# Altium PCB BRD_EPM240.PcbDoc (part 1 of 2) (continued)
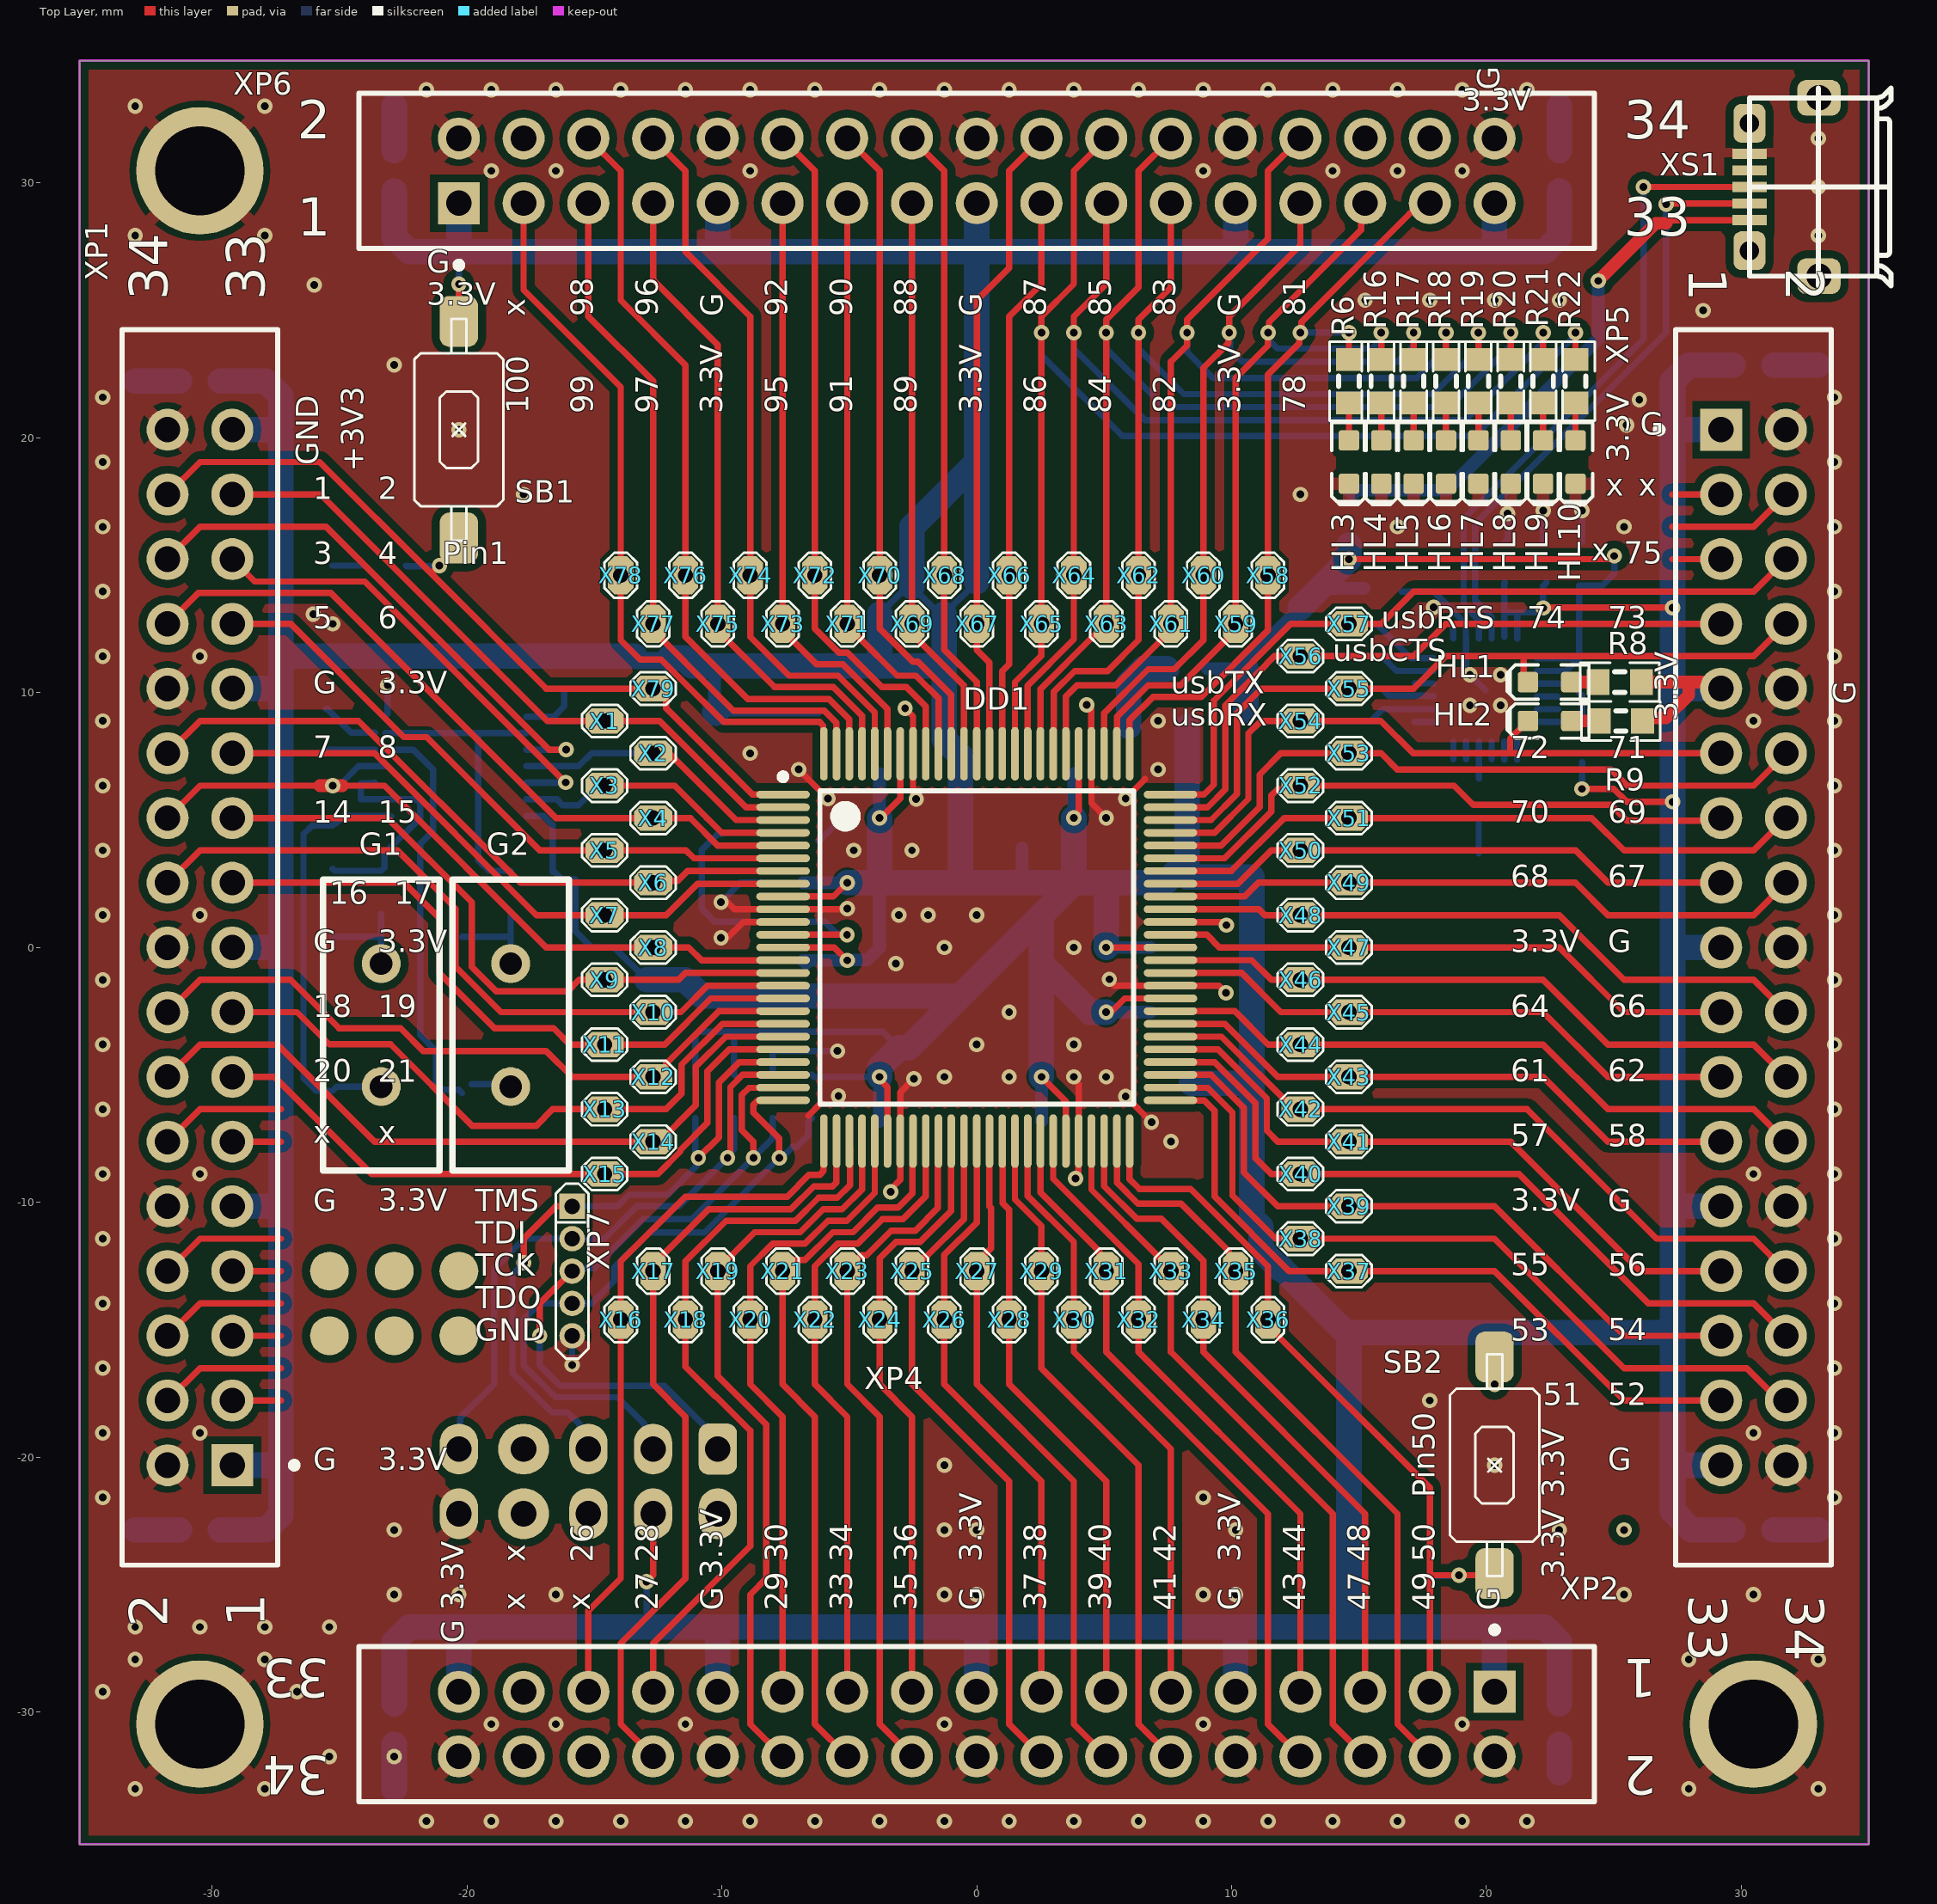
[diagram p0: Top Layer view]
## Components (designator, comment, footprint, x,y, rotation, side; value= is the part's Value field where it differs from the comment) (continued)
X9 "X1-PLLD1.27-1" PLLS1.27-1 -14.605,-1.27 r90 top
X10 "X1-PLLD1.27-1" PLLS1.27-1 -12.7,-2.54 r90 top
X11 "X1-PLLD1.27-1" PLLS1.27-1 -14.605,-3.81 r90 top
X12 "X1-PLLD1.27-1" PLLS1.27-1 -12.7,-5.08 r90 top
X13 "X1-PLLD1.27-1" PLLS1.27-1 -14.605,-6.35 r90 top
X14 "X1-PLLD1.27-1" PLLS1.27-1 -12.7,-7.62 r90 top
X15 "X1-PLLD1.27-1" PLLS1.27-1 -14.605,-8.89 r90 top
X16 "X1-PLLD1.27-1" PLLS1.27-1 -13.969,-14.605 r180 top
X17 "X1-PLLD1.27-1" PLLS1.27-1 -12.7,-12.7 r180 top
X18 "X1-PLLD1.27-1" PLLS1.27-1 -11.43,-14.605 r180 top
X19 "X1-PLLD1.27-1" PLLS1.27-1 -10.16,-12.7 r180 top
X20 "X1-PLLD1.27-1" PLLS1.27-1 -8.89,-14.605 r180 top
X21 "X1-PLLD1.27-1" PLLS1.27-1 -7.62,-12.7 r180 top
X22 "X1-PLLD1.27-1" PLLS1.27-1 -6.35,-14.605 r180 top
X23 "X1-PLLD1.27-1" PLLS1.27-1 -5.08,-12.7 r180 top
X24 "X1-PLLD1.27-1" PLLS1.27-1 -3.81,-14.605 r180 top
X25 "X1-PLLD1.27-1" PLLS1.27-1 -2.54,-12.7 r180 top
X26 "X1-PLLD1.27-1" PLLS1.27-1 -1.27,-14.605 r180 top
X27 "X1-PLLD1.27-1" PLLS1.27-1 0,-12.7 r180 top
X28 "X1-PLLD1.27-1" PLLS1.27-1 1.27,-14.605 r180 top
X29 "X1-PLLD1.27-1" PLLS1.27-1 2.54,-12.7 r180 top
X30 "X1-PLLD1.27-1" PLLS1.27-1 3.81,-14.605 r180 top
X31 "X1-PLLD1.27-1" PLLS1.27-1 5.08,-12.7 r180 top
X32 "X1-PLLD1.27-1" PLLS1.27-1 6.35,-14.605 r180 top
X33 "X1-PLLD1.27-1" PLLS1.27-1 7.62,-12.7 r180 top
X34 "X1-PLLD1.27-1" PLLS1.27-1 8.89,-14.605 r180 top
X35 "X1-PLLD1.27-1" PLLS1.27-1 10.16,-12.7 r180 top
X36 "X1-PLLD1.27-1" PLLS1.27-1 11.43,-14.605 r180 top
X37 "X1-PLLD1.27-1" PLLS1.27-1 14.605,-12.7 r270 top
X38 "X1-PLLD1.27-1" PLLS1.27-1 12.7,-11.43 r90 top
X39 "X1-PLLD1.27-1" PLLS1.27-1 14.605,-10.16 r90 top
X40 "X1-PLLD1.27-1" PLLS1.27-1 12.7,-8.89 r90 top
X41 "X1-PLLD1.27-1" PLLS1.27-1 14.605,-7.62 r90 top
X42 "X1-PLLD1.27-1" PLLS1.27-1 12.7,-6.35 r90 top
X43 "X1-PLLD1.27-1" PLLS1.27-1 14.605,-5.08 r90 top
X44 "X1-PLLD1.27-1" PLLS1.27-1 12.7,-3.81 r90 top
X45 "X1-PLLD1.27-1" PLLS1.27-1 14.605,-2.54 r90 top
X46 "X1-PLLD1.27-1" PLLS1.27-1 12.7,-1.27 r90 top
X47 "X1-PLLD1.27-1" PLLS1.27-1 14.605,0 r90 top
X48 "X1-PLLD1.27-1" PLLS1.27-1 12.7,1.27 r90 top
X49 "X1-PLLD1.27-1" PLLS1.27-1 14.605,2.54 r90 top
X50 "X1-PLLD1.27-1" PLLS1.27-1 12.7,3.81 r90 top
X51 "X1-PLLD1.27-1" PLLS1.27-1 14.605,5.08 r90 top
X52 "X1-PLLD1.27-1" PLLS1.27-1 12.7,6.35 r90 top
X53 "X1-PLLD1.27-1" PLLS1.27-1 14.605,7.62 r90 top
X54 "X1-PLLD1.27-1" PLLS1.27-1 12.7,8.89 r90 top
X55 "X1-PLLD1.27-1" PLLS1.27-1 14.605,10.16 r90 top
X56 "X1-PLLD1.27-1" PLLS1.27-1 12.7,11.43 r270 top
X57 "X1-PLLD1.27-1" PLLS1.27-1 14.605,12.7 r90 top
X58 "X1-PLLD1.27-1" PLLS1.27-1 11.43,14.605 r0 top
X59 "X1-PLLD1.27-1" PLLS1.27-1 10.16,12.7 r180 top
X60 "X1-PLLD1.27-1" PLLS1.27-1 8.89,14.605 r180 top
X61 "X1-PLLD1.27-1" PLLS1.27-1 7.62,12.7 r180 top
X62 "X1-PLLD1.27-1" PLLS1.27-1 6.35,14.605 r180 top
X63 "X1-PLLD1.27-1" PLLS1.27-1 5.08,12.7 r180 top
X64 "X1-PLLD1.27-1" PLLS1.27-1 3.81,14.605 r180 top
X65 "X1-PLLD1.27-1" PLLS1.27-1 2.54,12.7 r180 top
X66 "X1-PLLD1.27-1" PLLS1.27-1 1.27,14.605 r180 top
X67 "X1-PLLD1.27-1" PLLS1.27-1 0,12.7 r180 top
X68 "X1-PLLD1.27-1" PLLS1.27-1 -1.27,14.605 r0 top
X69 "X1-PLLD1.27-1" PLLS1.27-1 -2.54,12.7 r180 top
X70 "X1-PLLD1.27-1" PLLS1.27-1 -3.81,14.605 r180 top
X71 "X1-PLLD1.27-1" PLLS1.27-1 -5.08,12.7 r180 top
X72 "X1-PLLD1.27-1" PLLS1.27-1 -6.35,14.605 r180 top
X73 "X1-PLLD1.27-1" PLLS1.27-1 -7.62,12.7 r0 top
X74 "X1-PLLD1.27-1" PLLS1.27-1 -8.89,14.605 r180 top
X75 "X1-PLLD1.27-1" PLLS1.27-1 -10.16,12.7 r180 top
X76 "X1-PLLD1.27-1" PLLS1.27-1 -11.43,14.605 r180 top
X77 "X1-PLLD1.27-1" PLLS1.27-1 -12.7,12.7 r180 top
X78 "X1-PLLD1.27-1" PLLS1.27-1 -13.97,14.605 r180 top
X79 "X1-PLLD1.27-1" PLLS1.27-1 -12.7,10.16 r270 top
X80 "PLLS1.27-1-TOP-R" PLLS1.27-1-TOP-R -16.129,10.16 r90 bottom
XP1 "IDC2.54-V34-TE" IDC2.54-V34-TE -30.48,0 r90 top locked
XP2 "IDC2.54-V34-TE" IDC2.54-V34-TE 0,-30.48 r180 top locked
XP4 "XS-10" BH-10 -10.16,-19.685 r180 top locked
XP5 "IDC2.54-V34-TE" IDC2.54-V34-TE 30.48,0 r270 top locked
XP6 "IDC2.54-V34-TE" IDC2.54-V34-TE 0,30.48 r0 top locked
XP7 "PLS1.27-5" PLLS1.27-5 -15.875,-10.16 r180 top
XS1 "MICRO_USB _B" "MICRO_USB _B" 33.02,29.845 r90 top

## Footprints (in the part's own frame and the unit in brackets; to place one, negate y for a bottom-side part, rotate by r counter-clockwise, add the part's x,y. Pads: shape width x height; smd on the part's side, far side on the other; paste and mask are expansions set on the pad)
BH-10 [mm]
  rrect50% 1.5x2 hole 1: 1(0,0)
  oval 1.5x2 hole 1: 2(0,2.54) 3(2.54,0) 4(2.54,2.54) 5(5.08,0) 6(5.08,2.54) 9(10.16,0) 10(10.16,2.54)
  round 2 hole 1: 7(7.62,0) 8(7.62,2.54)
  body extent -5.17,-3.28 15.33,6.02, height 9.1
CAPC1608(0603)N [mm] "Chip Capacitor, Body 1.6x0.8mm, IPC Medium Density"
  rect 1x1 smd: 1(-0.8,0) 2(0.8,0)
  silkscreen extent -1.55,-0.76 1.55,0.76, body extent -0.8,-0.4 0.8,0.4, height 0.3
HC-49/S [mil]
  round 60 hole 35: 1(0,0) 2(190,0)
  silkscreen extent -130,-90 320,90, body extent -128,-92 318,92, height 142
IDC2.54-V34-TE [mm] "Connector; IDC, PCB Transition - 2 Rows, Thru-Hole; 34 Position; Vertical; Pitch 2.54 mm; Body 48.48 x 6.1 x 7.45 mm (LxWxH), Kinked Contacts"
  rect 1.65x1.65 hole 1: 1(-20.32,-1.27)
  round 1.65 hole 1: 2(-20.32,1.27) 3(-17.78,-1.27) 4(-17.78,1.27) 5(-15.24,-1.27) 6(-15.24,1.27) 7(-12.7,-1.27) 8(-12.7,1.27) 9(-10.16,-1.27) 10(-10.16,1.27) 11(-7.62,-1.27) 12(-7.62,1.27) 13(-5.08,-1.27) 14(-5.08,1.27) 15(-2.54,-1.27) 16(-2.54,1.27) 17(0,-1.27) 18(0,1.27) 19(2.54,-1.27) 20(2.54,1.27) 21(5.08,-1.27) 22(5.08,1.27) 23(7.62,-1.27) 24(7.62,1.27) 25(10.16,-1.27) 26(10.16,1.27) 27(12.7,-1.27) 28(12.7,1.27) 29(15.24,-1.27) 30(15.24,1.27) 31(17.78,-1.27) 32(17.78,1.27) 33(20.32,-1.27) 34(20.32,1.27)
  silkscreen extent -24.24,-3.83 24.24,3.05, body extent -25.39,-4.25 25.39,4.6, height 9.43
INDC1608(0603)N [mm] "Chip Inductor, Body 1.6x0.8mm, IPC Medium Density"
  rect 1x1 smd: 1(-0.8,0) 2(0.8,0)
  silkscreen extent -1.6,-0.4 -1.6,0.4, body extent -0.87,-0.48 0.87,0.48, height 0.71
LED-0603-BLUE [mm]
  round 0.254 on Mech15: 0(0,0)
  rrect25% 0.8x0.8 smd: A(-0.85,0) K(0.85,0)
  Top Layer pour cut-out: -0.5,0.5 0.5,0.5 0.5,-0.5 -0.5,-0.5
  silkscreen extent -1.55,-0.67 1.68,0.67, body extent -0.8,-0.4 0.8,0.4, height 0.75
LED-0603-GREEN [mm]
  round 0.254 on Mech15: 0(0,0)
  rrect25% 0.8x0.8 smd: A(-0.85,0) K(0.85,0)
  Top Layer pour cut-out: -0.5,0.5 0.5,0.5 0.5,-0.5 -0.5,-0.5
  silkscreen extent -1.55,-0.67 1.68,0.67, body extent -0.8,-0.4 0.8,0.4, height 0.75
"MICRO_USB _B" [mm]
  rect 0.4x1.35 smd: 1(-1.3,2.7) 2(-0.65,2.7) 3(0,2.7) 4(0.65,2.7) 5(1.3,2.7)
  rrect50% 1.4x1.7 hole 1: 6(-3.5,-0.025) 6(3.5,-0.025)
  rrect50% 1.524x1.25 hole 0.75: 6(-2.5,2.7) 6(2.5,2.7)
  silkscreen extent -3.88,-2.85 3.88,2.7, body extent -4.02,-2.73 4.02,2.85, height 2.63
PLLS1.27-1 [mm] "1.27mm pin header connector with 2mm body height. 4..80 pins"
  oct 1x1.5 hole 0.6: 1(0,0)
  silkscreen extent -0.64,-0.89 0.64,0.89
PLLS1.27-1-TOP-R [mm]
  round 1 smd: 1(0,0)
  silkscreen extent -0.63,-0.63 0.63,0.64
PLLS1.27-5 [mm]
  rect 1x1 hole 0.6: 1(0,0)
  round 1 hole 0.6: 2(0,1.27) 3(0,2.54) 4(0,3.81) 5(0,5.08)
  silkscreen extent -0.64,-0.89 0.64,5.97
"PTS636 SM43 SMTR LFS" [mm]
  rrect50% 2x1.5 smd: 1(-4.25,0) 2(4.25,0)
  silkscreen extent -4.35,-1.75 4.35,1.75
QFN24_N [mm] "QFN, 24-Leads, Body 4x4mm, Pitch 0.5mm, IPC Medium Density"
  oval 0.75x0.3 smd: 1(-2.025,1.25) 2(-2.025,0.75) 3(-2.025,0.25) 4(-2.025,-0.25) 5(-2.025,-0.75) 6(-2.025,-1.25) 13(2.025,-1.25) 14(2.025,-0.75) 15(2.025,-0.25) 16(2.025,0.25) 17(2.025,0.75) 18(2.025,1.25)
  oval 0.3x0.75 smd: 7(-1.25,-2.025) 8(-0.75,-2.025) 9(-0.25,-2.025) 10(0.25,-2.025) 11(0.75,-2.025) 12(1.25,-2.025) 19(1.25,2.025) 20(0.75,2.025) 21(0.25,2.025) 22(-0.25,2.025) 23(-0.75,2.025) 24(-1.25,2.025)
  rect 2.8x2.8 smd: 25(0,0)
  silkscreen extent -3,-2.22 2.22,2.22, body extent -2.01,-2.01 2.01,2.01
RESC1608(0603)N [mm] "Chip Resistor, Body 1.6x0.8mm, IPC Medium Density"
  rect 0.9x1 smd: 1(-0.85,0) 2(0.85,0)
  silkscreen extent -1.55,-0.76 1.55,0.76, body extent -0.8,-0.4 0.8,0.4, height 0.3
SG-8002JF [mm] "SOJ 4pin 7.1x5.1x1.5 mm"
  rect 1.8x2 smd: 1(0,0)
  rrect50% 1.8x2 smd: 2(5,0) 3(5,4) 4(0,4)
  silkscreen extent -1,-0.5 6,4.5, body extent -1.25,-0.5 5.75,4.5, height 1.6
SOT223_M [mm] "SOT223, 4-Leads, Body 6.5x3.5mm, Pitch 2.3mm, Lead Span 7mm, IPC Low Density"
  rect 2.7x1 smd: 1(-2.95,2.3) 2(-2.95,0) 3(-2.95,-2.3)
  rect 2.7x3.3 smd: 4(2.95,0)
  silkscreen extent -3.07,-3.35 1.3,3.47, body extent -1.85,-3.35 1.85,3.35, height 1.7
TQFP100_M [mm] "Thin QFP, 100-Leads, Body 14x14mm, Pitch 0.5mm, IPC Low Density"
  oval 2.1x0.3 smd: 1(-7.6,6) 2(-7.6,5.5) 3(-7.6,5) 4(-7.6,4.5) 5(-7.6,4) 6(-7.6,3.5) 7(-7.6,3) 8(-7.6,2.5) 9(-7.6,2) 10(-7.6,1.5) 11(-7.6,1) 12(-7.6,0.5) 13(-7.6,0) 14(-7.6,-0.5) 15(-7.6,-1) 16(-7.6,-1.5) 17(-7.6,-2) 18(-7.6,-2.5) 19(-7.6,-3) 20(-7.6,-3.5) 21(-7.6,-4) 22(-7.6,-4.5) 23(-7.6,-5) 24(-7.6,-5.5) 25(-7.6,-6) 51(7.6,-6) 52(7.6,-5.5) 53(7.6,-5) 54(7.6,-4.5) 55(7.6,-4) 56(7.6,-3.5) 57(7.6,-3) 58(7.6,-2.5) 59(7.6,-2) 60(7.6,-1.5) 61(7.6,-1) 62(7.6,-0.5) 63(7.6,0) 64(7.6,0.5) 65(7.6,1) 66(7.6,1.5) 67(7.6,2) 68(7.6,2.5) 69(7.6,3) 70(7.6,3.5) 71(7.6,4) 72(7.6,4.5) 73(7.6,5) 74(7.6,5.5) 75(7.6,6)
  oval 0.3x2.1 smd: 26(-6,-7.6) 27(-5.5,-7.6) 28(-5,-7.6) 29(-4.5,-7.6) 30(-4,-7.6) 31(-3.5,-7.6) 32(-3,-7.6) 33(-2.5,-7.6) 34(-2,-7.6) 35(-1.5,-7.6) 36(-1,-7.6) 37(-0.5,-7.6) 38(0,-7.6) 39(0.5,-7.6) 40(1,-7.6) 41(1.5,-7.6) 42(2,-7.6) 43(2.5,-7.6) 44(3,-7.6) 45(3.5,-7.6) 46(4,-7.6) 47(4.5,-7.6) 48(5,-7.6) 49(5.5,-7.6) 50(6,-7.6) 76(6,7.6) 77(5.5,7.6) 78(5,7.6) 79(4.5,7.6) 80(4,7.6) 81(3.5,7.6) 82(3,7.6) 83(2.5,7.6) 84(2,7.6) 85(1.5,7.6) 86(1,7.6) 87(0.5,7.6) 88(0,7.6) 89(-0.5,7.6) 90(-1,7.6) 91(-1.5,7.6) 92(-2,7.6) 93(-2.5,7.6) 94(-3,7.6) 95(-3.5,7.6) 96(-4,7.6) 97(-4.5,7.6) 98(-5,7.6) 99(-5.5,7.6) 100(-6,7.6)
  silkscreen extent -7.72,-6.15 6.15,6.82, body extent -7,-7 7,7, height 1.2
TSSOP14 [mm] "Shrink Small Outline; 14 Leads; Body Width 4.4 mm; Pitch 0.65 mm"
  rect 1.65x0.3 smd: 1(-2.775,1.95) 2(-2.775,1.3) 3(-2.775,0.65) 4(-2.775,0) 5(-2.775,-0.65) 6(-2.775,-1.3) 7(-2.775,-1.95) 8(2.775,-1.95) 9(2.775,-1.3) 10(2.775,-0.65) 11(2.775,0) 12(2.775,0.65) 13(2.775,1.3) 14(2.775,1.95)
  silkscreen extent -2.9,-2.55 1.55,2.77, body extent -3.2,-2.5 3.2,2.5, height 1.1

## Part data
C1 C2 C3 C4 C5 C6 C7 C8 C9 C10 C11 C12 C13 C14 C15 C16 C17 C18 C19 C20 C21 C22 C23 C24 C25 C26 C27 C28 C29 C30: library part CAPC1608(0603), "?", Digi-Key Part Number=?, HelpURL=?, Manufacturer Part Number=?, Note=?, Package=?, Part Number=CAPC1608(0603), Price$=?
DD1: "MAX II 3.3/2.5V CPLD, 80 IOs, 240 Logic Elements, 100-Pin Plastic TQFP, Commercial Temperature, Speed Grade 5, Pb-Free", Supplier Part Number 1=544-1964-ND, Code_JEDEC=MS-026-AED, ComponentLink1Description="Manufacturer Link", ComponentLink1URL=http://www.altera.com/products/devices/cpld/max2/mx2-index.jsp, ComponentLink2Description=Handbook, ComponentLink2URL=http://www.altera.com/literature/hb/max2/max2_mii5v1.pdf, ComponentLink3Description="Packaging Specification", ComponentLink3URL=http://www.altera.com/literature/ds/dspkg.pdf, DatasheetVersion="ver1.8, Jul-2006", HelpURL=http://ru.mouser.com/ProductDetail/Altera-Corporation/EPM240T100C5N/?qs=jblrfmjbeiHmgaW5DQXOiw%3d%3d, LatestRevisionDate=13-Apr-2006, LatestRevisionNote="IPC-7351 Footprint Added.", Note="Each set of VCCIO pins can be connected to 3.3V, 2.5V, 1.8V, or 1.5V.", PackageDescription="100-Pin Plastic Thin Quad Flat Pack (TQFP100) - Wire Bond", PackageReference=TQFP100, PackageVersion="ver15.1, May-2008", Part Number=EPM240T100C5N, Published=4-Mar-2005, Publisher="Altium Limited", Supplier 1=Digi-Key, Supplier 2=Farnell, Supplier 3=Farnell, Supplier Part Number 2=1662268, Supplier Part Number 3=1453503
DD2: "USB Bridge, USB to UART USB 2.0 UART Interface 24-QFN (4x4)", Digi-Key Part Number=336-2006-5-ND, Package="24-QFN (4x4)", HelpURL=https://www.digikey.com/product-detail/en/silicon-labs/CP2110-F01-GM/336-2006-5-ND/2486180, Manufacturer Part Number=CP2110-F01-GM, Part Number=CP2110-F01-GM, Price$=1,54
DD3: "IC INVERTER SCHMITT 6CH 14TSSOP", HelpURL=https://www.digikey.com/product-detail/en/texas-instruments/SN74HC14PWR/296-8234-1-ND/376675, Part Number=SN74HC14PWR
G1 G2: library part "Crystal HC-49/S", "Crystal HC-49/S", Part Number="Crystal HC-49/S"
HL1 HL4 HL5 HL6 HL7 HL8: library part LED-0603-BLUE, "LED BLUE DIFFUSED 0603 SMD", Digi-Key Part Number=732-12013-1-ND, Manufacturer Part Number=150060BS55040, Package=0603, HelpURL=https://www.digikey.com/products/en?keywords=732-12013-1-ND, Note=?, Part Number=LED-0603-BLUE, Price$=?
HL2 HL3 HL9 HL10: library part LED-0603-GREEN, "LED GREEN DIFFUSED 0603 SMD", Digi-Key Part Number=732-12017-1-ND, Manufacturer Part Number=150060VS55040, Package=?, HelpURL=https://www.digikey.com/products/en?keywords=732-12017-1-ND, Note=?, Part Number=LED-0603-GREEN, Price$=?
L1: library part INDC1608(0603), Part Number=INDC1608(0603)
Q1: library part SG-8002JF, Part Number=SG-8002JF
R1 R2 R3 R4 R7 R14 R15: library part RESC1005(0402), Digi-Key Part Number=???, HelpURL=???, Manufacturer Part Number=???, Note=???, Package=???, Part Number=RESC1005(0402), Price$=???
R5 R6 R8 R9 R10 R11 R12 R13 R16 R17 R18 R19 R20 R21 R22: library part RESC1608(0603), Digi-Key Part Number=???, HelpURL=???, Manufacturer Part Number=???, Note=???, Package=???, Part Number=RESC1608(0603), Price$=???
SB1 SB2: "Tactile Switches Tact 50mA 12VDC, 6.0x3.5, 4.3mm H, 180gf, G leads, No ground pin, Black Actuator", Mouser Part Number=611-PTS636SM43SMTRLF, Package=2pinSMD, HelpURL=https://eu.mouser.com/ProductDetail/CK/PTS636-SM43-SMTR-LFS?qs=sGAEpiMZZMsgGjVA3toVBC4OPD95ORcgaeKhIDqe9Es%3D, Manufacturer Part Number="PTS636 SM43 SMTR LFS", Part Number="PTS636 SM43 SMTR LFS", Price$=0.11
XP4: library part 3220-10-0100-00, Digi-Key Part Number=1175-1627-ND, HelpURL=https://www.digikey.com/product-detail/en/cnc-tech/3220-10-0100-00/1175-1627-ND/3883661, Part Number=3220-10-0100-00
XP7: "CONN HEADER VERT 5POS 1.27MM", Digi-Key Part Number=952-3601-ND, Manufacturer Part Number=M50-3530542, HelpURL=https://www.digikey.com/product-detail/en/harwin-inc/M50-3530542/952-3601-ND/7044016, Part Number=PLS1.27-5, Price$=0.21
XS1: Digi-Key Part Number=???, HelpURL=https://www.digikey.com/product-detail/en/amphenol-icc-fci/10118194-0001LF/609-4618-1-ND/2785382, Manufacturer Part Number=???, Note=???, Package=???, Part Number="MICRO_USB _B", Price$=???
DA1: HelpURL=http://www.mouser.com/ds/2/389/CD00000544-310772.pdf, Part Number=LD1117S33T
X1 X2 X3 X4 X5 X6 X7 X8 X9 X10 X11 X12 X13 X14 X15 X16 X17 X18 X19 X20 X21 X22 X23 X24 X25 X26 X27 X28 X29 X30 X31 X32 X33 X34 X35 X36 X37 X38 X39 X40 X41 X42 X43 X44 X45 X46 X47 X48 X49 X50 X51 X52 X53 X54 X55 X56 X57 X58 X59 X60 X61 X62 X63 X64 X65 X66 X67 X68 X69 X70 X71 X72 X73 X74 X75 X76 X77 X78 X79: Part Number=X1-PLLD1.27-1
X80: Part Number=PLLS1.27-1-TOP-R
XP1 XP2 XP5 XP6: Part Number=IDC2.54-V34-TE

## Free pads (board coordinates)
  round 5 hole 3.5: 0(-30.48,-30.48) 0(-30.48,30.48) 0(30.48,-30.48)
  round 1.524 smd: 3(-25.4,-15.24) 3(-25.4,-12.7) 3(-22.86,-15.24) 3(-22.86,-12.7) 3(-20.32,-15.24) 3(-20.32,-12.7)

## Via types
v1: diameter 0.6, hole 0.3, Top Layer to Bottom Layer, tented both sides, 245 vias
v2: diameter 0.6, hole 0.3, Top Layer to Bottom Layer, 3 vias

## Nets (pads, with @x,y where several pads share a name; then routed paths per layer and width w, separated by ;. In a path a pad name is that pad's centre, name@x,y a point inside that pad or via, vN(x,y) a via of type N, cw(c..) or ccw(c..) an arc to the next point about the centre after c; other vN are vias at no path point)
+3V3: C1.2 C2.2 C3.2 C4.2 C5.2 C8.2 C9.2 C10.2 C11.2 C12.2 C14.2 C15.2 C16.2 C17.2 C18.2 C19.2 C20.2 C22.2 C23.2 C24.2 C25.2 C27.1 DA1.2 DA1.4 DD1.9 DD1.13 DD1.31 DD1.45 DD1.59 DD1.63 DD1.80 DD1.94 DD2.5 DD2.6 DD3.14 Q1.1 Q1.4 R1.2 R2.2 R3.2 R7.1 R8.2 R9.2 SB1.2 SB2.2 XP1.1 XP1.9 XP1.17 XP1.25 XP1.33 XP2.1 XP2.9 XP2.17 XP2.25 XP2.33 XP4.4 XP5.1 XP5.9 XP5.17 XP5.25 XP5.33 XP6.1 XP6.9 XP6.17 XP6.25 XP6.33 | length 516.1
  Top Layer w0.25: SB1.2@-20.32,24.57 v1(-20.32,26.035) ; v1(-12.954,-24.892) -12.7,-24.638 XP4.4@-12.7,-22.225 ; DD1.13@-7.6,0 -5.588,0 v1(-5.08,-0.508) ; DD1.9@-7.6,2 -5.62,2 v1(-5.08,2.54) ; v1(-3.81,-5.08) -3.81,-5.175 -3.5,-5.485 DD1.31@-3.5,-7.6 ; v1(-3.81,5.08) -3.772,5.08 -3,5.852 DD1.94@-3,7.6 ; v1(2.54,-5.08) 3.5,-6.04 DD1.45@3.5,-7.6 ; 4,5.365 DD1.80@4,7.6 ; v1(5.08,-2.54) 5.27,-2.54 5.81,-2 DD1.59@7.6,-2 ; v1(5.08,0) DD1.63@7.6,0 ; v1(20.32,-17.145) SB2.2@20.32,-16.07 ; v1(22.225,13.325) 22.235,13.335 v1(27.305,13.335) ; v1(23.749,6.223) 24.996,6.223 25.504,5.715 v1(27.305,5.715)
  Top Layer w0.5: R8.2@26.084,10.414 27.94,10.414 ; R9.2@26.123,9.017 27.051,9.017 27.94,9.906 27.94,10.414 ; XP5.9@28.829,10.414 27.94,10.414 ; XP5.9@29.146,10.096 XP5.9@29.21,10.16
  Bottom Layer w0.25: v1(-20.32,26.035) -20.32,27.305 ; DD3.14@-17.672,5.162 -16.997,5.162 -16.637,4.802 C27.1@-16.637,3.042 ; C27.1@-16.637,2.959 C27.1@-16.637,3.042 ; -13.081,-26.543 -12.954,-26.416 v1(-12.954,-24.892) ; -12.954,-1.27 -14.224,0 -15.113,0 -15.748,0.635 -15.748,2.667 -16.262,2.667 C27.1@-16.637,3.042 ; R2.2@-11.049,-4.992 -11.049,-3.448 -10.903,-3.302 -9.525,-3.302 ; Q1.4@-9.859,9.191 Q1.1@-6.223,9.191 ; R3.2@-9.525,-4.992 -9.525,-3.302 ; R1.2@-6.477,-4.992 -6.389,-5.08 v1(-3.81,-5.08) ; -3.81,13.085 -2.745,14.15 -2.54,14.15 -2.165,13.775 -2.155,13.775 -1.465,13.085 -1.27,13.085 0,14.355 ; -3.048,-3.937 -3.683,-3.302 -9.525,-3.302 ; v1(20.32,-17.145) 20.32,-15.113 ; DD2.5@20.701,12.192 20.704,12.195 20.704,13.032 ; C10.2@20.714,14.313 20.704,14.303 20.704,13.032 ; DD2.6@21.204,12.128 21.204,13.032 21.318,13.146 ; 21.952,13.146 21.318,13.146 ; v1(22.225,13.325) 22.225,14.186 C8.2@22.352,14.313 ; v1(23.749,6.223) R7.1@23.749,7.278 ; 20.704,13.032 20.818,13.146 21.318,13.146
  Bottom Layer w0.5: -13.97,11.43 -13.887,11.347 -12.063,11.347 ; -13.419,11.176 -11.726,11.176 ; Q1.4@-10.287,9.255 -10.287,11.049 ; C16.2@-6.82,2.54 v1(-5.08,2.54) ; C18.2@-6.695,-0.633 C18.2@-6.82,-0.508 v1(-5.08,-0.508) -5.061,-0.489 -4.299,-0.489 -3.81,0 -3.81,2.54 ; C14.2@-3.81,-6.82 v1(-3.81,-5.08) ; v1(-3.81,5.08) C15.2@-3.81,6.82 ; 1.778,2.54 C12.2@1.778,3.899 ; C11.2@2.54,-6.82 v1(2.54,-5.08) ; v1(3.81,5.08) C17.2@3.81,6.82 ; v1(5.08,-2.54) C19.2@6.82,-2.54 ; v1(5.08,0) C20.2@6.82,0
  Bottom Layer w1: C3.2@-29.68,-22.86 -27.891,-22.86 -27.305,-22.274 -27.305,-20.32 ; C1.2@-29.68,22.225 -27.891,22.225 -27.305,21.639 -27.305,20.32 ; XP1.1@-29.21,-20.32 -27.305,-20.32 ; XP1.9@-29.21,-10.16 -27.305,-10.16 ; XP1.17@-29.21,0 -27.305,0 ; XP1.25@-29.21,10.16 -27.305,10.16 ; XP1.33@-29.21,20.32 -27.305,20.32 ; C2.2@-22.86,-29.68 -22.86,-27.256 -22.274,-26.67 -19.734,-26.67 ; C24.2@-22.86,29.68 -22.86,27.891 -22.274,27.305 -20.32,27.305 ; XP2.33@-20.32,-29.21 -20.32,-27.256 -19.734,-26.67 ; XP6.1@-20.32,29.21 -20.32,27.305 ; -13.419,11.43 -13.97,11.43 -27.305,11.43 ; -12.954,-1.27 -11.43,-1.27 -10.795,-1.905 -0.635,-1.905 ; -12.063,11.347 -12.05,11.36 -11.487,11.36 -11.176,11.049 -10.287,11.049 -3.81,11.049 ; Q1.4@-10.287,9.255 Q1.4@-10.223,9.191 ; XP2.25@-10.16,-29.21 -10.16,-26.67 ; XP6.9@-10.16,29.21 -10.16,27.305 ; v1(-5.08,2.54) -3.81,2.54 ; v1(-3.81,-5.08) -3.81,-4.699 -3.048,-3.937 -2.667,-3.937 -0.635,-1.905 ; v1(-3.81,5.08) -3.81,2.54 ; -3.81,13.085 -3.81,11.049 ; -2.54,14.15 -2.54,16.51 0,19.05 ; -1.27,13.085 -1.27,11.049 ; XP2.17@0,-29.21 0,-26.67 ; 0,14.355 0,19.05 ; XP6.17@0,29.21 0,27.305 ; v1(2.54,-5.08) 2.54,-0.635 ; v1(3.81,5.08) 3.81,2.54 ; v1(5.08,-2.54) 4.445,-2.54 2.54,-0.635 ; v1(5.08,0) 5.08,2.54 ; 5.969,2.54 5.08,2.54 ; 6.233,2.55 7.405,2.55 8.255,3.4 DA1.2@8.255,8.665 ; DA1.4@8.255,2.765 10.795,2.765 10.795,-5.334 ; C9.2@8.42,-5.334 10.795,-5.334 ; XP2.9@10.16,-29.21 10.16,-26.67 ; XP6.25@10.16,29.21 10.16,27.305 ; 11.156,-11.706 11.156,-10.975 10.795,-10.614 10.795,-5.334 ; 11.347,-12.067 11.873,-12.593 11.958,-12.593 14.605,-15.24 ; XP2.1@20.32,-29.21 20.32,-26.67 ; XP6.33@20.32,29.21 20.32,27.305 ; C4.2@22.86,-29.68 22.86,-27.256 22.274,-26.67 20.32,-26.67 ; C25.2@22.86,29.68 22.86,27.891 22.274,27.305 20.32,27.305 ; v1(27.305,5.715) 27.305,0 ; v1@27.305,5.742 27.305,10.16 ; XP5.33@29.21,-20.32 27.305,-20.32 ; XP5.25@29.21,-10.16 27.305,-10.16 ; XP5.17@29.21,0 27.305,0 ; XP5.9@29.21,10.16 27.305,10.16 ; XP5.1@29.21,20.32 27.305,20.32 ; C22.2@29.68,-22.86 28.049,-22.86 27.305,-22.116 27.305,-20.32 ; C23.2@29.68,22.86 27.94,22.86 27.305,22.225 27.305,20.32 ; -27.305,-20.32 -27.305,-10.16 ; -27.305,-10.16 -27.305,0 ; -27.305,0 -27.305,10.16 ; -27.305,10.16 -27.305,11.43 ; -27.305,11.43 -27.305,20.32 ; -20.32,27.305 -10.16,27.305 ; -19.734,-26.67 -10.16,-26.67 ; -10.16,-26.67 0,-26.67 ; -10.16,27.305 0,27.305 ; -3.81,2.54 -0.635,2.54 ; -3.81,11.049 -1.27,11.049 ; -1.27,11.049 -1.27,8.165 -0.635,7.53 -0.635,2.54 ; -0.635,-1.905 2.54,1.27 ; -0.635,2.54 1.778,2.54 3.81,2.54 ; 0,-26.67 10.16,-26.67 ; 0,19.05 0,27.305 ; 0,27.305 10.16,27.305 ; 2.54,-0.635 2.54,1.27 ; 2.54,1.27 3.81,2.54 ; 3.81,2.54 5.08,2.54 ; 10.16,-26.67 14.605,-26.67 ; 10.16,27.305 20.32,27.305 ; 14.605,-26.67 14.605,-15.24 ; 14.605,-26.67 20.32,-26.67 ; 14.605,-15.24 14.732,-15.113 20.32,-15.113 27.305,-15.113 ; 27.305,-20.32 27.305,-15.113 ; 27.305,-15.113 27.305,-10.16 ; 27.305,-10.16 27.305,0 ; 27.305,10.16 v1(27.305,13.335) 27.305,20.32
+5V: C6.2 C7.2 C13.2 DA1.3 DD2.7 DD2.8 L1.2 | length 30.5
  Top Layer w0.25: v1(14.605,15.24) 24.892,15.24 v1(25.019,15.367)
  Bottom Layer w0.25: DD2.8@21.979,10.853 23.137,10.853 23.637,11.353 ; DD2.7@21.979,11.353 23.637,11.353 ; v1(25.019,15.367) 25.019,14.673 24.547,14.201 23.637,14.201 23.637,11.353
  Bottom Layer w0.5: C6.2@9.055,10.936 10.555,10.936 10.555,11.19 12.7,13.335 ; 13.462,14.097 C7.2@15.202,14.097
  Bottom Layer w1: DA1.3@10.555,9.3 10.555,10.936 ; 12.7,13.335 13.462,14.097 v1(14.605,15.24) 14.605,15.777
CLK: DD1.12 R5.2 | length 4.4
  Top Layer w0.25: DD1.12@-7.6,0.5 v1(-5.088,0.5)
  Bottom Layer w0.25: R5.2@-6.77,1.016 -5.969,1.016 -5.498,0.545 -5.133,0.545 v1(-5.088,0.5)
CLK_5: DD3.8 X80.1 | length 2.4
  Bottom Layer w0.25: DD3.8@-17.672,9.062 -16.592,9.062 -16.18,9.474 -16.18,10.109 X80.1@-16.129,10.16
GND: C1.1 C2.1 C3.1 C4.1 C5.1 C6.1 C7.1 C8.1 C9.1 C10.1 C11.1 C12.1 C13.1 C14.1 C15.1 C16.1 C17.1 C18.1 C19.1 C20.1 C21.1 C22.1 C23.1 C24.1 C25.1 C26.1 C27.2 C28.1 C29.1 C30.1 DA1.1 DD1.10 DD1.11 DD1.32 DD1.46 DD1.60 DD1.65 DD1.79 DD1.93 DD2.2 DD2.25 DD3.7 HL3.K HL4.K HL5.K HL6.K HL7.K HL8.K HL9.K HL10.K pad.0 Q1.2 R4.2 R14.2 R15.2 XP1.2 XP1.10 XP1.18 XP1.26 XP1.34 XP2.2 XP2.10 XP2.18 XP2.26 XP2.34 XP4.2 XP4.10 XP5.2 XP5.10 XP5.18 XP5.26 XP5.34 XP6.2 XP6.10 XP6.18 XP6.26 XP6.34 XP7.5 XS1.5 | length 74.3
  Top Layer w0.25: v1(-10.033,0.381) -9.779,0.381 -9.16,1 DD1.11@-7.6,1 ; v1(-10.033,1.778) -9.779,1.778 -9.501,1.5 DD1.10@-7.6,1.5 -5.104,1.5 v1(-5.08,1.524) ; v1(-6.985,6.985) v1(-5.842,5.842) ; -6.604,-6.604 -6.096,-6.096 ; v1(-3.375,-9.586) -3.375,-9.491 -3,-9.116 DD1.32@-3,-7.6 -3,-5.684 v1(-2.468,-5.152) ; v1(-2.811,9.389) -2.811,9.379 -2.5,9.068 -2.5,6.049 -2.375,5.925 v1(-2.375,5.83) ; v1(3.81,-5.08) 3.81,-5.175 4,-5.365 DD1.46@4,-7.6 3.99,-7.61 3.99,-8.855 3.875,-8.97 v1(3.875,-9.065) ; v1@4.49,9.353 4.49,7.61 DD1.79@4.5,7.6 4.5,5.66 v1(5.08,5.08) ; v1(5.204,-1.25) 5.204,-1.3 5.405,-1.5 DD1.60@7.6,-1.5 9.501,-1.5 v1(9.779,-1.778) ; 6.096,-6.096 6.604,-6.604 ; 6.096,6.096 6.604,6.604 ; DD1.65@7.6,1 9.576,1 9.701,0.875 v1(9.795,0.875)
  Bottom Layer w0.25: -25.273,14.986 R14.2@-24.091,14.986 ; DD3.7@-23.222,9.062 -23.114,9.17 v2(-23.114,10.287) ; v1(-15.875,-16.383) XP7.5@-15.875,-15.24 ; v1(-10.033,1.778) -9.271,2.54 C16.1@-8.42,2.54 ; R4.2@-7.951,-4.992 R4.2@-8.001,-4.992 -8.001,-4.064 v1(-5.461,-4.064) ; Q1.2@-6.223,4.191 -6.173,4.191 -5.27,5.094 v1(-5.27,5.334) ; C7.1@16.675,13.97 17.929,13.97 18.242,13.657 ; v1(17.929,13.345) 18.242,13.657 ; 19.7,3.687 C21.1@19.7,4.858 ; DD2.25@19.954,10.103 v1(19.354,10.703) 19.204,10.853 DD2.2@19.204,12.128 19.194,12.138 19.194,12.705 18.242,13.657 ; C10.1@20.714,15.913 20.832,16.032 v1(20.832,17.026) ; C8.1@22.225,15.913 v1(22.225,17.145) ; C13.1@23.749,15.913 v1(23.749,17.145)
  Bottom Layer w1: -33.02,-22.86 C3.1@-31.28,-22.86 ; -33.02,22.225 C1.1@-31.28,22.225 ; -22.86,-33.02 C2.1@-22.86,-31.28 ; C24.1@-22.86,31.28 -22.86,33.02 ; DA1.1@5.955,8.665 5.955,10.35 6.541,10.936 C6.1@7.455,10.936 ; 22.86,-32.385 C4.1@22.86,-31.28 ; C25.1@22.86,31.28 22.86,33.02 ; C22.1@31.28,-22.86 33.02,-22.86 ; C23.1@31.28,22.86 33.02,22.86
  other v1: -21.59,-34.29 -19.05,-34.29 -16.51,-34.29 -13.97,-34.29 -11.43,-34.29 -8.89,-34.29 -6.35,-34.29 -3.81,-34.29 -1.27,-34.29 1.27,-34.29 3.81,-34.29 6.35,-34.29 8.89,-34.29 11.43,-34.29 13.97,-34.29 16.51,-34.29 19.05,-34.29 21.59,-34.29 -33.02,-33.02 -27.94,-33.02 27.94,-33.02 33.02,-33.02 -25.4,-31.75 -22.86,-31.75 -19.05,-30.48 -16.51,-30.48 -11.43,-30.48 -1.27,-30.48 8.89,-30.48 19.05,-30.48 -34.29,-29.21 -26.67,-29.21 -33.02,-27.94 -27.94,-27.94 27.94,-27.94 33.02,-27.94 -33.02,-26.67 -30.48,-26.67 -27.94,-26.67 -25.4,-26.67 -22.86,-25.4 -20.32,-25.4 -16.51,-25.4 -1.27,-25.4 0,-25.4 8.89,-25.4 10.16,-25.4 25.4,-25.4 30.48,-25.4 -22.86,-22.86 -1.27,-22.86 0,-22.86 10.16,-22.86 22.86,-22.86 -34.29,-21.59 8.89,-21.59 33.655,-21.59 -1.27,-20.32 20.32,-20.32 -34.29,-19.05 -30.48,-19.05 30.48,-19.05 33.655,-19.05 17.78,-17.78 -34.29,-16.51 33.655,-16.51 -34.29,-13.97 33.655,-13.97 -34.29,-11.43 33.655,-11.43 -34.29,-8.89 -30.48,-8.89 30.48,-8.89 33.655,-8.89 7.62,-7.62 6.858,-6.858 -34.29,-6.35 33.655,-6.35 -5.425,-5.83 5.842,-5.842 -1.27,-5.08 1.27,-5.08 5.08,-5.08 -34.29,-3.81 0,-3.81 3.81,-3.81 33.655,-3.81 1.27,-2.54 -34.29,-1.27 33.655,-1.27 -3.175,-0.635 -1.27,0 3.81,0 -34.29,1.27 -30.48,1.27 -3.06,1.27 -1.905,1.27 0,1.27 33.655,1.27 -34.29,3.81 -4.826,3.81 -2.54,3.81 33.655,3.81 5.842,5.842 -34.29,6.35 33.655,6.35 7.112,6.985 -8.89,7.62 -34.29,8.89 7.112,8.89 30.48,8.89 33.655,8.89 19.354,9.503 20.554,9.503 4.318,9.525 20.554,10.703 -34.29,11.43 -30.48,11.43 33.655,11.43 -34.29,13.97 33.655,13.97 -34.29,16.51 16.51,16.51 25.4,16.51 33.655,16.51 -17.78,17.78 12.7,17.78 -34.29,19.05 33.655,19.05 -20.32,20.32 25.5,20.5 26,21.5 -34.29,21.59 33.655,21.59 -22.86,22.86 28.5,25 15.24,25.4 17.78,25.4 20.32,25.4 22.86,25.4 -26,26 -33.02,27.94 -27.94,27.94 33.02,27.94 33.02,29.845 -19.05,30.48 -16.51,30.48 -8.89,30.48 8.89,30.48 13.97,30.48 16.51,30.48 19.05,30.48 33.02,31.75 -33.02,33.02 -27.94,33.02 -21.59,33.655 -19.05,33.655 -16.51,33.655 -13.97,33.655 -11.43,33.655 -8.89,33.655 -6.35,33.655 -3.81,33.655 -1.27,33.655 1.27,33.655 3.81,33.655 6.35,33.655 8.89,33.655 11.43,33.655 13.97,33.655 16.51,33.655 19.05,33.655 21.59,33.655
  other v2: -25.273,12.7 -26.035,13.081
NetC21_2: C21.2 DD2.16 | length 1.5
  Bottom Layer w0.25: C21.2@19.704,6.623 19.704,7.913 DD2.16@19.704,8.078
NetC26_2: C26.2 DD3.1 G1.1 R10.1 | length 16.5
  Bottom Layer w0.25: R10.1@-25.273,4.787 -26.074,4.787 -26.416,4.445 -26.416,-5.137 -25.927,-5.626 C26.2@-25.273,-5.626 -25.108,-5.461 G1.1@-23.368,-5.461 ; R10.1@-25.146,4.864 -24.848,5.162 DD3.1@-23.222,5.162 -23.012,5.162 DD3.1@-22.987,5.137
NetC28_2: C28.2 G1.2 R11.1 | length 3.9
  Bottom Layer w0.25: C28.2@-25.273,0.419 -23.45,0.419 -23.368,0.337 ; G1.2@-23.368,-0.635 -23.368,0.337 ; R11.1@-23.368,1.309 -23.368,0.337
NetC29_2: C29.2 DD3.5 G2.1 R12.1 | length 19.7
  Bottom Layer w0.25: R12.1@-25.527,7.659 -25.424,7.762 DD3.5@-23.603,7.762 ; DD3.5@-23.222,7.762 -22.113,7.762 -21.336,6.985 -21.336,4.572 -21.844,4.064 -21.844,-3.429 -21.209,-4.064 -21.209,-5.334 -20.955,-5.588 -20.32,-5.588 C29.2@-20.193,-5.715 ; C29.2@-19.818,-5.366 -18.383,-5.366 G2.1@-18.288,-5.461
NetC30_2: C30.2 G2.2 R13.1 | length 3.9
  Bottom Layer w0.25: C30.2@-20.193,0.419 -18.37,0.419 -18.288,0.337 ; G2.2@-18.288,-0.635 -18.288,0.337 ; R13.1@-18.288,1.309 -18.288,0.337
NetDD2_3: DD2.3 XS1.3 | length 25
  Top Layer w0.25: v1(26.162,29.845) XS1.3@30.32,29.845
  Bottom Layer w0.25: DD2.3@19.704,12.128 19.704,12.841 19.108,13.437 19.108,16.822 26.162,23.876 v1(26.162,29.845)
NetDD2_4: DD2.4 XS1.2 | length 23.7
  Top Layer w0.25: v1(27.051,29.17) 27.076,29.195 XS1.2@30.32,29.195
  Bottom Layer w0.25: DD2.4@20.204,12.128 20.204,12.977 19.558,13.623 19.558,15.621 19.558,16.636 27.051,24.129 v1(27.051,29.17)
NetDD2_9: DD2.9 R7.2 | length 2.9
  Bottom Layer w0.25: DD2.9@21.979,10.353 23.302,10.353 23.749,9.906 R7.2@23.749,8.978
NetDD3_2: DD3.2 DD3.3 R10.2 R11.2 | length 8.8
  Bottom Layer w0.25: R10.2@-25.273,3.087 -25.195,3.009 R11.2@-23.368,3.009 -23.236,3.141 -23.236,3.688 -21.844,5.08 -21.844,5.666 -21.99,5.812 DD3.2@-23.222,5.812 -24.172,5.812 -24.172,6.437 -23.662,6.437 DD3.3@-23.622,6.477
NetDD3_6: DD3.6 DD3.9 R12.2 R13.2 | length 15.8
  Bottom Layer w0.25: R12.2@-25.527,9.359 -25.477,9.359 -24.555,8.437 -23.628,8.437 DD3.6@-23.603,8.412 ; DD3.6@-23.211,8.412 -19.558,8.412 ; R13.2@-18.288,3.009 -19.138,3.009 -19.558,3.429 -19.558,8.412 ; -19.558,8.412 -19.177,8.412 ; -19.177,8.412 DD3.9@-17.672,8.412 -19.177,8.412
NetHL1_A: HL1.A R8.1 | length 1.1
  Top Layer w0.5: HL1.A@23.329,10.414 R8.1@24.384,10.414
NetHL2_A: HL2.A R9.1 | length 1.1
  Top Layer w0.5: HL2.A@23.329,8.89 R9.1@24.423,8.89
NetHL3_A: HL3.A R6.1 | length 1.7
  Top Layer w0.25: HL3.A@14.605,19.9 R6.1@14.605,21.375 R6.1@14.605,21.59
NetHL4_A: HL4.A R16.1 | length 1.7
  Top Layer w0.25: HL4.A@15.875,19.685 HL4.A@15.875,19.9 R16.1@15.875,21.375
NetHL5_A: HL5.A R17.1 | length 1.1
  Top Layer w0.25: 17.145,20.32 R17.1@17.145,21.375
NetHL6_A: HL6.A R18.1 | length 1.7
  Top Layer w0.25: HL6.A@18.415,19.685 HL6.A@18.415,19.9 R18.1@18.415,21.375
NetHL7_A: HL7.A R19.1 | length 1.7
  Top Layer w0.25: HL7.A@19.685,19.685 HL7.A@19.685,19.9 R19.1@19.685,21.375